# Altium PCB hep-0001.PcbDoc (part 2 of 2) (continued)
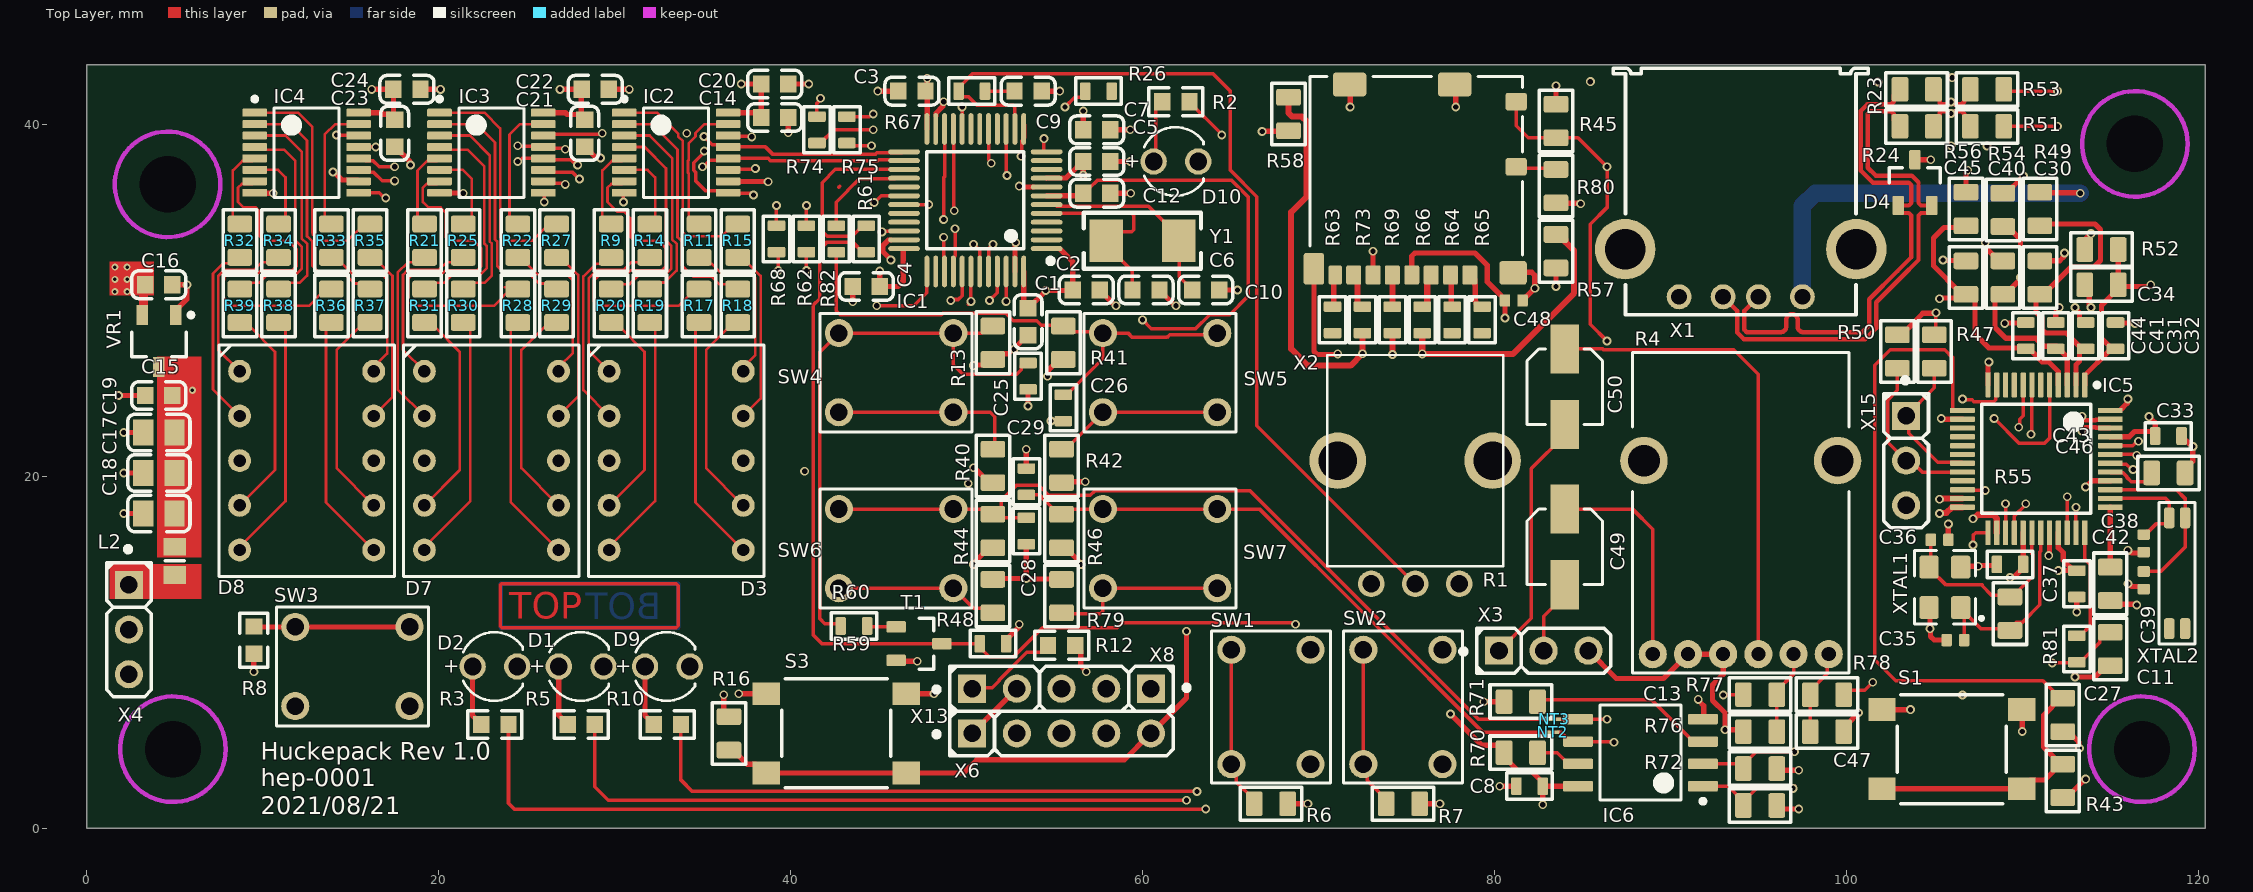
[diagram p0: Top Layer view]
## Nets (pads, with @x,y where several pads share a name; then routed paths per layer and width w, separated by ;. In a path a pad name is that pad's centre, name@x,y a point inside that pad or via, vN(x,y) a via of type N, cw(c..) or ccw(c..) an arc to the next point about the centre after c; other vN are vias at no path point) (continued)
Reset: C12.2 IC1.7 R16.1 S3.1 S3.3 X6.5 | length 74.6
  Top Layer w0.2: C12.2@57,36.4 57.44,36.84 65.06,36.84 66,35.9 66,30.25 64.95,29.2 63.815,29.2 63.015,28.4 60.5,28.4 v2(60,28.9)
  Top Layer w0.3: R16.1@36.5,4.45 36.725,4.45 37.525,3.65 38,3.65 38.2,3.45 S3.3@38.2,3.4 ; S3.3@38.625,3.15 S3.1@46.575,3.15 49.829,3.15 50.579,3.9 58.98,3.9 60.38,5.3 X6.5@60.4,5.3 ; IC1.7@54.55,35.95 56.65,35.95 C12.2@56.7,36 ; X6.5@60.48,5.4 62.5,7.42 v2(62.5,11.2)
  Signal_2 w0.3: v2(60,28.9) 60,13.7 v2(62.5,11.2)
SD_CD: IC5.22 R45.1 X2.10 | length 47.2
  Top Layer w0.2: X2.10@81.24,41.3 81.24,39.94 81.93,39.25 R45.1@83.5,39.25 84.75,39.25 v1(86.4,37.6) 86.4,35.283 85.455,34.338 85.455,28.645 v1(86.4,27.7) ; IC5.22@106.6,19.25 106.625,19.225 107.875,19.225 v1(107.9,19.2)
  Signal_2 w0.2: v1(86.4,27.7) 104.007,27.7 107.9,23.807 v1(107.9,19.2)
SD_CLK: IC5.24 R69.1 | length 63.2
  Top Layer w0.35: R69.1@74.2,28.15 74.203,28.147 74.203,26.933 v1(74.206,26.929) ; v1(105.3,17.9) 105.329,17.929 105.691,17.929 106.012,18.25 IC5.24@106.6,18.25
  Signal_2 w0.27: v1(74.206,26.929) 75.054,26.082 75.054,25.606 75.857,24.803 76.107,24.803 76.242,24.803 ccw(c76.242,25.088) 76.527,25.088 76.527,25.218 cw(c76.812,25.218) 76.812,25.503 cw(c76.812,25.218) 77.097,25.218 77.097,24.388 ccw(c77.382,24.388) 77.382,24.103 ccw(c77.382,24.388) 77.667,24.388 77.667,25.218 cw(c77.952,25.218) 77.952,25.503 cw(c77.952,25.218) 78.237,25.218 78.237,24.388 ccw(c78.522,24.388) 78.522,24.103 ccw(c78.522,24.388) 78.807,24.388 78.807,25.218 cw(c79.092,25.218) 79.092,25.503 cw(c79.092,25.218) 79.377,25.218 79.377,24.388 ccw(c79.662,24.388) 79.662,24.103 ccw(c79.662,24.388) 79.947,24.388 79.947,25.218 cw(c80.232,25.218) 80.232,25.503 cw(c80.232,25.218) 80.517,25.218 80.517,24.388 ccw(c80.802,24.388) 80.802,24.103 ccw(c80.802,24.388) 81.087,24.388 81.087,25.218 cw(c81.372,25.218) 81.372,25.503 cw(c81.372,25.218) 81.657,25.218 81.657,24.388 ccw(c81.942,24.388) 81.942,24.103 ccw(c81.942,24.388) 82.227,24.388 82.227,25.218 cw(c82.512,25.218) 82.512,25.503 cw(c82.512,25.218) 82.797,25.218 82.797,24.388 ccw(c83.082,24.388) 83.082,24.103 ccw(c83.082,24.388) 83.367,24.388 83.367,25.218 cw(c83.652,25.218) 83.652,25.503 cw(c83.652,25.218) 83.937,25.218 83.937,24.388 ccw(c84.222,24.388) 84.222,24.103 ccw(c84.222,24.388) 84.507,24.388 84.507,25.218 cw(c84.792,25.218) 84.792,25.503 cw(c84.792,25.218) 85.077,25.218 85.077,24.388 ccw(c85.362,24.388) 85.362,24.103 ccw(c85.362,24.388) 85.647,24.388 85.647,25.218 cw(c85.932,25.218) 85.932,25.503 cw(c85.932,25.218) 86.217,25.218 86.217,24.388 ccw(c86.502,24.388) 86.502,24.103 ccw(c86.502,24.388) 86.787,24.388 86.787,25.218 cw(c87.072,25.218) 87.072,25.503 cw(c87.072,25.218) 87.357,25.218 87.357,24.388 ccw(c87.642,24.388) 87.642,24.103 ccw(c87.642,24.388) 87.927,24.388 87.927,24.95 cw(c88.212,24.95) 88.212,25.235 cw(c88.212,24.95) 88.497,24.95 88.497,24.518 ccw(c88.782,24.518) 88.782,24.233 ccw(c88.782,24.518) 89.067,24.518 cw(c89.352,24.518) 89.352,24.803 90.2,24.803 98.303,16.7 104.1,16.7 v1(105.3,17.9)
SD_CMD: IC5.23 R57.2 R66.1 | length 62.9
  Top Layer w0.35: R66.1@75.9,28.15 v1(75.9,26.968) 81.058,26.968 83.065,28.975 83.075,28.975 84.525,30.425 84.525,32.831 84.025,33.331 84.025,33.45 83.725,33.75 R57.2@83.5,33.75 ; v1(105.3,18.7) 105.341,18.7 105.391,18.75 IC5.23@106.6,18.75
  Signal_2 w0.27: v1(75.9,26.968) 76.311,26.557 76.768,26.1 85.537,26.1 87.545,26.1 88.2,26.1 91.234,26.1 91.451,25.883 91.8,25.534 91.895,25.439 ccw(c92.097,25.64) 92.299,25.439 92.39,25.531 cw(c92.592,25.329) 92.793,25.531 cw(c92.592,25.329) 92.793,25.128 92.207,24.541 ccw(c92.408,24.339) 92.207,24.138 ccw(c92.408,24.339) 92.61,24.138 93.197,24.725 cw(c93.398,24.523) 93.6,24.725 cw(c93.398,24.523) 93.6,24.322 93.013,23.735 ccw(c93.214,23.533) 93.013,23.332 ccw(c93.214,23.533) 93.416,23.332 94.003,23.919 cw(c94.204,23.717) 94.406,23.919 cw(c94.204,23.717) 94.406,23.516 93.819,22.929 ccw(c94.02,22.727) 93.819,22.526 ccw(c94.02,22.727) 94.222,22.526 94.809,23.112 cw(c95.01,22.911) 95.212,23.112 cw(c95.01,22.911) 95.212,22.709 94.625,22.123 ccw(c94.826,21.921) 94.625,21.719 ccw(c94.826,21.921) 95.028,21.719 95.615,22.306 cw(c95.816,22.105) 96.018,22.306 cw(c95.816,22.105) 96.018,21.903 95.431,21.316 ccw(c95.633,21.115) 95.431,20.913 ccw(c95.633,21.115) 95.834,20.913 96.421,21.5 cw(c96.622,21.299) 96.824,21.5 cw(c96.622,21.299) 96.824,21.097 96.732,21.005 ccw(c96.934,20.804) 96.732,20.602 97.227,20.107 97.323,20.011 97.692,19.642 100.059,17.275 103.875,17.275 v1(105.3,18.7)
SD_DAT0: IC5.26 R58.2 R73.1 | length 63.4
  Top Layer w0.35: R58.2@68.3,41.55 68.3,40.655 68.505,40.45 69.065,40.45 69.325,40.19 69.325,35.908 68.445,35.027 68.445,27.255 69.4,26.3 71.825,26.3 v1(72.5,26.975) R73.1@72.5,28.15 ; v1(107.2,17.6) 107.241,17.6 107.466,17.825 108.345,17.825 108.55,17.62 IC5.26@108.55,16.8
  Signal_2 w0.27: v1(72.5,26.975) 74.311,25.164 76.312,23.162 89.688,23.162 96.615,16.235 105.835,16.235 106.328,16.728 v1(107.2,17.6)
Serial_Out_1: IC2.9 IC3.14 | length 16.6
  Top Layer w0.2: IC3.14@26.157,39.443 26.16,39.445 29.245,39.445 v1(29.3,39.5) ; v1(35.1,38.5) 35.1,38.419 34.5,37.819 34.5,37.393 34.625,37.268 34.625,36.775 35.15,36.25 36.325,36.25 36.475,36.1 37.719,36.1 37.819,36 v1(37.9,36)
  Signal_2 w0.2: v1(29.3,39.5) 34.181,39.5 34.506,39.825 35.282,39.825 35.604,39.504 35.604,38.996 35.107,38.5 v1(35.1,38.5)
  other v1: 34.1,39.5
Serial_Out_2: IC3.9 IC4.14 | length 15.8
  Top Layer w0.2: v1(14.2,39.4) 14.212,39.388 14.988,39.388 IC4.14@15,39.4 ; IC3.9@25.95,36.125 26,36.075 v1(26,35.6)
  Signal_2 w0.2: v1(14.2,39.4) 14.2,38.066 15.941,36.325 17.207,36.325 17.232,36.3 19.572,36.3 19.872,36.6 25,36.6 v1(26,35.6)
Serial_Out_3: IC4.9 | length 1.7
  Top Layer w0.2: IC4.9@15.45,36.125 16.619,36.125 16.919,35.825 v1(17,35.825)
Shift_Out_nOE: IC1.25 IC2.13 IC3.13 IC4.13 | length 31.7
  Top Layer w0.2: IC4.13@15.4,38.7 15.425,38.725 IC4.13@15.45,38.725 v1(16.425,38.725) ; v1(24.5,38.8) 24.537,38.763 25.913,38.763 IC3.13@25.95,38.725 ; IC3.13@26.012,38.713 26.068,38.657 27.143,38.657 v1(27.2,38.6) ; v1(35.075,39.325) 35.55,38.85 36.325,38.85 IC2.13@36.45,38.725 38.575,38.725 39,38.3 44.807,38.3 44.907,38.4 IC1.25@46.308,38.4
  Signal_2 w0.2: v1(16.425,38.725) 16.462,38.763 24.462,38.763 v1(24.5,38.8) ; v1(27.2,38.6) 28.693,38.6 33.907,38.6 34.575,39.268 35.018,39.268 v1(35.075,39.325)
SPI1_CS: IC5.7 IC6.1 R72.1 | length 54.1
  Top Layer w0.2: IC6.1@91.85,2.395 93.28,2.395 R72.1@94.15,1.525 ; R72.1@94.15,1.3 R72.1@94.15,1.525 ; v1@97.1,2.4 v1(96.975,2.275) 94.9,2.275 R72.1@94.15,1.525 ; v1(110.5,22.4) 110.525,22.425 110.525,25.175 IC5.7@110.55,25.2
  Signal_2 w0.2: v1(96.975,2.275) 109.368,2.275 118.8,11.707 118.8,21.5 117.45,22.85 115.65,22.85 114.55,21.75 111.15,21.75 v1(110.5,22.4)
SPI1_CS_MCU: IC1.26 IC2.12 IC3.12 IC4.12 | length 31.8
  Top Layer w0.2: IC4.12@15.7,38.1 15.85,37.95 16.272,37.95 16.622,37.6 v1(17.5,37.6) ; v1(24.5,37.9) 24.581,37.9 24.756,38.075 IC3.12@25.95,38.075 26.025,38 27.519,38 27.819,37.7 v1(27.9,37.7) ; v1(35,37.6) 35.04,37.6 35.409,37.969 36.344,37.969 IC2.12@36.45,38.075 38.73,38.075 38.855,37.95 44.952,37.95 45.002,38 IC1.26@46.301,38
  Signal_2 w0.2: v1(17.5,37.6) 18.2,38.3 24.1,38.3 v1(24.5,37.9) ; v1(27.9,37.7) 28.893,37.7 28.993,37.6 v1(35,37.6)
SPI1_MISO: IC5.8 IC6.2 R76.1 | length 52.6
  Top Layer w0.2: IC6.2@91.85,3.665 93.885,3.665 R76.1@94.15,3.4 94.15,3.625 94.875,4.35 v1(97.05,4.35) v1@97.1,4.3 ; v1(109.8,22.8) 109.857,22.857 109.857,23.257 110.05,23.45 IC5.8@110.05,25.2
  Signal_2 w0.2: v1(97.05,4.35) 110.948,4.35 118.3,11.702 118.3,21.283 117.083,22.5 115.795,22.5 114.595,21.3 110.893,21.3 109.857,22.335 109.857,22.743 v1(109.8,22.8)
SPI1_MISO_MCU: IC1.16
SPI1_MOSI: IC5.25 IC6.5 NT3.2 | length 35.5
  Top Layer w0.2: NT3.2@83.575,6.2 IC6.5@84.4,6.2 ; IC6.5@84.75,6.205 84.755,6.2 v1(86.4,6.2) ; v1(107.2,16.1) 107.2,16.65 107.35,16.8 IC5.25@108.05,16.8
  Signal_2 w0.2: v1(86.4,6.2) 83.85,8.75 83.85,11.45 87.9,15.5 106.6,15.5 v1(107.2,16.1)
SPI1_MOSI_MCU: IC1.17 IC2.14 | length 17.6
  Top Layer w0.2: IC2.14@36.9,39.4 36.962,39.338 37.763,39.338 v1(37.8,39.3) ; IC1.17@51.25,39.75 51.25,38.031 51.4,37.881 v1(51.4,37.8)
  Signal_2 w0.2: v1(37.8,39.3) 37.8,38.625 38.675,37.75 51.35,37.75 v1(51.4,37.8)
SPI1_SCK: IC5.27 IC6.6 NT2.2 | length 43.2
  Top Layer w0.2: NT2.2@83.6,5.45 83.8,5.45 84,5.25 84,5.135 84.2,4.935 IC6.6@84.75,4.935 84.768,4.918 86.782,4.918 v1(86.8,4.9) ; IC5.27@109.05,16.8 v1(109.05,18.45) v1@109.125,18.525
  Signal_2 w0.2: v1(86.8,4.9) 86.857,4.957 86.857,5.125 86.9,5.167 86.9,6.407 84.2,9.107 84.2,11.283 85.292,12.375 107.475,12.375 108.5,13.4 108.5,17.9 v1(109.05,18.45)
SPI1_SCK_MCU: IC1.15 IC2.11 IC3.11 IC4.11 | length 43.8
  Top Layer w0.2: IC4.11@16,37.3 16.293,37.3 16.793,36.8 v1(17.5,36.8) ; IC3.11@25.95,37.425 26.075,37.3 27.6,37.3 v1(28,36.9) ; IC2.11@36.343,37.463 37.962,37.463 v1(38,37.5) ; IC1.15@52.25,39.75 52.265,39.735 52.265,37.135 v1(52.3,37.1)
  Signal_2 w0.2: v1(17.5,36.8) 17.581,36.8 17.731,36.95 26.593,36.95 26.868,37.225 27.282,37.225 27.557,36.95 27.943,36.95 27.993,36.9 28.078,36.9 28.278,37.1 37.6,37.1 v1(38,37.5) 38.057,37.443 38.487,37.443 38.53,37.4 51.013,37.4 51.313,37.1 v1(52.3,37.1)
SWCLK: IC1.37 X6.3 | length 37.1
  Top Layer w0.2: v1(44.9,29.7) 47,29.7 47.75,30.45 IC1.37@47.75,31.65
  Signal_2 w0.2: v1(44.9,29.7) 44.957,29.643 44.957,29.43 45,29.388 45,8.6 47.15,6.45 54.35,6.45 X6.3@55.3,5.5
SWDIO: IC1.34 X6.2 | length 37.7
  Top Layer w0.2: v1(45.2,33.9) 45.235,33.935 46.435,33.935 IC1.34@46.45,33.95
  Signal_2 w0.2: v1(45.2,33.9) 45.193,33.9 44.4,33.107 44.4,29.493 44.65,29.243 44.65,8.35 48.65,4.35 52.02,4.35 52.86,5.19 X6.2@52.86,5.4
UART0_RX: IC5.19 R47.1 X15.1 | length 8.2
  Top Layer w0.2: R47.1@105,26.15 105,25.04 X15.1@103.4,23.44 103.543,23.297 103.543,22.457 105.2,20.8 106.55,20.8 IC5.19@106.6,20.75
UART0_TX: IC5.20 R50.1 X15.2 | length 9.4
  Top Layer w0.2: R50.1@102.9,26.15 102.9,24.894 102.35,24.344 102.35,21.95 X15.2@103.4,20.9 103.656,20.9 104.306,20.25 IC5.20@106.6,20.25
UART2_RX: IC1.13 R75.2 | length 12
  Top Layer w0.2: R75.2@43.2,38.95 43.35,38.8 v1(44.6,38.8) ; v1(53.1,38.2) 53.14,38.24 53.14,39.081 53.3,39.241 IC1.13@53.3,40
  Signal_2 w0.2: v1@44.7,38.8 52.5,38.8 v1(53.1,38.2)
UART2_TX: IC1.12 R74.2 | length 19.5
  Top Layer w0.2: R74.2@41.5,40.5 41.5,41.219 41.7,41.419 v1(41.7,41.5) ; v1(54.4,39.2) 54.4,38.487 54.437,38.45 IC1.12@54.55,38.45
  Signal_2 w0.2: v1(41.7,41.5) 41.7,38.784 42.384,38.1 50.993,38.1 51.193,38.3 51.607,38.3 51.807,38.1 52.493,38.1 53.01,37.583 54.183,37.583 54.4,37.8 v1(54.4,39.2)
USBD_CON_N: D4.1 R23.2 X1.2 | length 30.7
  Top Layer w0.25: X1.2@95,30.21 94.2,29.41 94.2,28.346 94.346,28.2 95.752,28.2 96.26,28.2 ccw(c96.26,28.525) 96.585,28.525 96.585,28.9 cw(c96.91,28.9) 96.91,29.225 cw(c96.91,28.9) 97.235,28.9 97.235,28.525 ccw(c97.56,28.525) 97.56,28.2 98.335,28.2 100.9,28.2 101.3,28.6 101.3,30.066 102.934,31.7 103.7,32.466 103.7,34.829 103.554,34.975 103.15,34.975 102.95,35.175 D4.1@102.95,35.4 103.554,35.4 103.7,35.546 103.7,36.15 103.7,36.554 103.554,36.7 101.5,36.7 100.817,37.383 100.817,40.769 101.198,41.15 102.554,41.15 102.7,41.296 102.7,41.65 R23.2@103.05,42
USBD_CON_P: D4.2 R24.2 X1.3 | length 29.9
  Top Layer w0.25: X1.3@93,30.21 93.8,29.41 93.8,28.181 94.181,27.8 94.759,27.8 99.648,27.8 101.066,27.8 101.7,28.434 101.7,29.9 103.1,31.3 104.1,32.3 104.1,34.829 104.246,34.975 104.65,34.975 104.85,35.175 D4.2@104.85,35.4 104.246,35.4 104.1,35.546 104.1,35.984 104.1,36.719 103.719,37.1 101.666,37.1 101.217,37.549 101.217,40.604 101.364,40.75 102.554,40.75 102.7,40.604 102.7,40.25 R24.2@103.05,39.9
USBD_N: IC5.47 R23.1 R53.2 | length 30.6
  Top Layer w0.25: R23.1@104.95,42 105.3,41.65 105.3,41.225 105.375,41.15 105.757,41.15 105.882,41.275 v1(105.95,41.275) 106.018,41.275 106.143,41.15 106.554,41.15 106.7,41.296 106.7,41.65 R53.2@107.05,42 ; v1@113.4,23.325 113.468,23.325 113.593,23.2 114.162,23.2 114.187,23.225 114.975,23.225 IC5.47@115,23.25
  Signal_2 w0.175: v1(105.95,41.275) 106.038,41.275 106.2,41.113 110.688,41.113 111.125,40.675 111.125,24.803 111.314,24.614 111.376,24.552 ccw(c111.544,24.72) 111.712,24.552 111.942,24.782 cw(c112.109,24.614) 112.277,24.782 cw(c112.109,24.614) 112.277,24.446 112.048,24.216 ccw(c112.216,24.048) 112.048,23.88 112.664,23.264 112.765,23.162 113.135,23.162 113.397,23.425 v1(113.4,23.425)
USBD_P: IC5.46 R24.1 R51.2 | length 30.8
  Top Layer w0.25: R24.1@104.95,39.9 105.3,40.25 105.3,40.675 105.375,40.75 105.757,40.75 105.882,40.625 v1(105.95,40.625) 106.018,40.625 106.143,40.75 106.554,40.75 106.7,40.604 106.7,40.25 R51.2@107.05,39.9 ; 113.593,22.8 114.162,22.8 114.187,22.775 IC5.46@114.975,22.775 ; IC5.46@114.425,22.75 IC5.46@115,22.75 ; IC5.46@114.975,22.775 114.425,22.775 IC5.46@114.975,22.775
  Signal_2 w0.175: v1(105.95,40.625) 106.038,40.625 106.2,40.788 110.553,40.788 110.8,40.54 110.8,24.668 112.631,22.837 113.135,22.837 113.397,22.575 v1(113.4,22.575)
pads on no net: IC1.2 IC1.3 IC1.4 IC1.10 IC1.11 IC1.18 IC1.19 IC1.29 IC1.32 IC1.33 IC1.38 IC5.9 IC5.10 IC5.15 IC5.16 IC5.17 IC5.18 IC5.21 R1.NC1 R1.NC2 R4.MT R26.2 R63.1 R64.1 R65.1 XTAL2.2 XTAL2.3
copper on no net: | length 50.1
  Top Layer w0.2: 42.75,36.444 42.75,36.45 42.8,36.5 ; 23.5,11.493 23.5,13.831 23.569,13.9 23.617,13.9 33.508,13.9 33.625,13.783 33.625,11.517 33.508,11.4 31.325,11.4 23.617,11.4 23.593,11.4 23.5,11.493
  GND w0.254: 23.525,11.4 23.525,13.9 27.025,13.9 ; 23.625,11.4 33.625,11.4 33.625,13.9 27.125,13.9
  other v2: 106.6,7.585

## Polygon pours and split planes (outlines as drawn)
IOVDD on Signal_1 "IOVDD_L02_P004" (solid, remove dead copper, pour order 4): 0,43.4 120.4,43.4 120.4,0 0,0
3V3 on Signal_1 "3V3_L02_P003" (solid, pour order 3): 0,43.4 60,43.4 60,26.9 59.5,27.4 0,27.4
GND on Signal_1 "GND_L02_P001" (solid, pour order 1): 85.5,43.4 85.5,27.4 104,27.4 104,30.9 105,30.9 105,33.9 105.5,33.9 105.5,38.4 112,38.4 112,43.4
GND on GND "GND_L04_P002" (solid, remove dead copper, pour order 2): 0,43.4 120.4,43.4 120.4,0 0,0
AGND on GND "AGND_L04_P000" (solid, pour order 0): 120.4,43.4 113.6,43.4 113.6,25.8 116.7,25.8 116.7,22.3 114.4,22.3 114.4,21.3 113,21.3 113,18.9 120.4,18.9

## Keep-outs
Top Layer:
  circle w0.254: c116.4,38.9 r3
  circle w0.254: c116.8,4.5 r3
  circle w0.254: c4.9,4.5 r3
  circle w0.254: c4.6,36.6 r3
GND:
  circle w0.254: c4.6,36.6 r3
  circle w0.254: c4.9,4.5 r3
  circle w0.254: c116.8,4.5 r3
  circle w0.254: c116.4,38.9 r3

## Other copper
Top Layer:
  region net 5V0_IN: 1.3,15 6.5,15 6.5,13.3 6.5,13.04 1.3,13.04
  region net 5V0: 4,26.8 6.5,26.8 6.5,15.4 4,15.4
  region net 3V3: 1.3,32.2 3.8,32.2 3.8,30.3 1.3,30.3
  text "TOP" at 24.025,11.9 h1.52
GND:
  text "BOT" at 32.642,11.894 h1.52

## Silkscreen, mask and mechanical layers (free items; w line width, h text height)
Top Overlay:
  text "Huckepack Rev 1.0" at 9.9,3.9 h1
  text "hep-0001" at 9.9,2.4 h1
  text "2021/08/21" at 9.9,0.8 h1
Top Solder:
  circle w2: c116.4,38.9 r1.118
  circle w2: c116.8,4.5 r1.118
  circle w2: c4.9,4.5 r1.118
  circle w2: c4.6,36.6 r1.118
Outline:
  lines w0.17: 0,43.4 120.4,43.4 ; 0,43.4 0,43.4 ; 0,43.4 0,0 120.4,0 ; 120.4,0 120.4,0 ; 120.4,0 120.4,43.4 ; 120.4,43.4 120.4,43.4
  lines w0.254: 0,43.4 0,43.4
Panel_DIM:
  lines w0.17: -1,0 1,0 0,0 ; 0,1 0,0 ; 3.6,36.6 5.6,36.6 4.6,36.6 ; 3.9,4.5 5.9,4.5 4.9,4.5 ; 4.6,37.6 4.6,36.6 ; 4.9,5.5 4.9,4.5 ; 6.515,14.315 8.515,14.315 7.515,14.315 ; 6.515,27.485 8.515,27.485 7.515,27.485 ; 7.515,15.315 7.515,14.315 ; 7.515,28.485 7.515,27.485 ; 14.1,9.2 16.1,9.2 15.1,9.2 ; 15.1,10.2 15.1,9.2 ; 22.2,9.2 24.2,9.2 23.2,9.2 ; 23.2,10.2 23.2,9.2 ; 27.1,9.2 29.1,9.2 28.1,9.2 ; 28.1,10.2 28.1,9.2 ; 32,9.2 34,9.2 33,9.2 ; 33,10.2 33,9.2 ; 37.485,14.315 39.485,14.315 38.485,14.315 ; 37.485,27.485 39.485,27.485 38.485,27.485 ; 38.485,15.315 38.485,14.315 ; 38.485,28.485 38.485,27.485 ; 45,15.9 47,15.9 46,15.9 ; 45,25.9 47,25.9 46,25.9 ; 46,16.9 46,15.9 ; 46,26.9 46,25.9 ; 60,15.9 62,15.9 61,15.9 ; 60,25.9 62,25.9 61,25.9 ; 60.884,37.9 62.884,37.9 61.884,37.9 ; 61,16.9 61,15.9 ; 61,26.9 61,25.9 ; 61.884,38.9 61.884,37.9 ; 66.3,6.9 68.3,6.9 67.3,6.9 ; 67.3,7.9 67.3,6.9 ; 73.8,6.9 75.8,6.9 74.8,6.9 ; 74.5,20.9 76.5,20.9 75.5,20.9 ; 74.8,7.9 74.8,6.9 ; 75.5,21.9 75.5,20.9 ; 93,20.9 95,20.9 94,20.9 ; 94,21.9 94,20.9 ; 115.4,38.9 117.4,38.9 116.4,38.9 ; 115.8,4.5 117.8,4.5 116.8,4.5 ; 116.4,39.9 116.4,38.9 ; 116.8,5.5 116.8,4.5 ; 0,0 0,-1 0,0 ; 4.6,36.6 4.6,35.6 4.6,36.6 ; 4.9,4.5 4.9,3.5 4.9,4.5 ; 7.515,14.315 7.515,13.315 7.515,14.315 ; 7.515,27.485 7.515,26.485 7.515,27.485 ; 15.1,9.2 15.1,8.2 15.1,9.2 ; 23.2,9.2 23.2,8.2 23.2,9.2 ; 28.1,9.2 28.1,8.2 28.1,9.2 ; 33,9.2 33,8.2 33,9.2 ; 38.485,14.315 38.485,13.315 38.485,14.315 ; 38.485,27.485 38.485,26.485 38.485,27.485 ; 46,15.9 46,14.9 46,15.9 ; 46,25.9 46,24.9 46,25.9 ; 61,15.9 61,14.9 61,15.9 ; 61,25.9 61,24.9 61,25.9 ; 61.884,37.9 61.884,36.9 61.884,37.9 ; 67.3,6.9 67.3,5.9 67.3,6.9 ; 74.8,6.9 74.8,5.9 74.8,6.9 ; 75.5,20.9 75.5,19.9 75.5,20.9 ; 94,20.9 94,19.9 94,20.9 ; 116.4,38.9 116.4,37.9 116.4,38.9 ; 116.8,4.5 116.8,3.5 116.8,4.5
Dimensions Top:
  drawing of 295 lines, arcs and shapes, not listed
  text "Layer" at 126.464,57.271 h1.52
  text "Name" at 136.876,57.271 h1.52
  text "Material" at 160.491,57.271 h1.52
  text "Thickness" at 182.329,57.271 h1.52
  text "Constant" at 198.835,57.271 h1.52
  text "Board Layer Stack" at 213.31,57.271 h1.52
  text "Top Overlay" at 136.876,54.223 h1.52
  text "Top Solder" at 136.876,51.175 h1.52
  text "Solder Resist" at 160.491,51.175 h1.52
  text "0,025mm" at 182.329,51.175 h1.52
  text "3.5" at 198.835,51.175 h1.52
  text "1" at 126.464,48.127 h1.52
  text "Top Layer" at 136.876,48.127 h1.52
  text "0,035mm" at 182.329,48.127 h1.52
  text "Dielectric 2" at 136.876,45.079 h1.52
  text "PP-006" at 160.491,45.079 h1.52
  text "0,200mm" at 182.329,45.079 h1.52
  text "4.1" at 198.835,45.079 h1.52
  text "2" at 126.464,42.031 h1.52
  text "Signal_1" at 136.876,42.031 h1.52
  text "CF-004" at 160.491,42.031 h1.52
  text "0,018mm" at 182.329,42.031 h1.52
  text "Dielectric 1" at 136.876,38.983 h1.52
  text "FR-4" at 160.491,38.983 h1.52
  text "1,065mm" at 182.329,38.983 h1.52
  text "4.6" at 198.835,38.983 h1.52
  text "3" at 126.464,35.935 h1.52
  text "Signal_2" at 136.876,35.935 h1.52
  text "CF-004" at 160.491,35.935 h1.52
  text "0,018mm" at 182.329,35.935 h1.52
  text "Dielectric 3" at 136.876,32.887 h1.52
  text "PP-006" at 160.491,32.887 h1.52
  text "0,200mm" at 182.329,32.887 h1.52
  text "4.1" at 198.835,32.887 h1.52
  text "4" at 126.464,29.839 h1.52
  text "GND" at 136.876,29.839 h1.52
  text "0,035mm" at 182.329,29.839 h1.52
  text "Bottom Solder" at 136.876,26.791 h1.52
  text "Solder Resist" at 160.491,26.791 h1.52
  text "0,025mm" at 182.329,26.791 h1.52
  text "3.5" at 198.835,26.791 h1.52
  text "Bottom Overlay" at 136.876,23.743 h1.52
Drill Drawing:
  circle w0.254: c126.625,0.159 r0.411
  circle w0.254: c126.625,0.159 r0.684
  circle w0.254: c126.625,-2.92 r0.684
  rectangle: 8.1,16.8 8.4,19.5
  lines w0.254: 125.941,-12.499 126.283,-12.499 126.283,-12.842 126.967,-12.842 126.967,-12.499 127.309,-12.499 127.309,-11.815 126.967,-11.815 126.967,-11.473 126.283,-11.473 126.283,-11.815 125.941,-11.815 125.941,-12.499 ; 125.941,-9.762 127.309,-9.762 127.309,-8.394 125.941,-8.394 125.941,-9.762 ; 125.941,-5.999 126.625,-6.683 127.309,-5.999 126.625,-5.315 125.941,-5.999 ; 125.941,3.922 127.309,3.922 126.625,2.554 125.941,3.922 ; 125.941,5.633 125.941,5.975 126.283,6.317 125.941,6.659 125.941,7.002 126.283,7.002 126.625,6.659 126.967,7.002 127.309,7.002 127.309,6.659 126.967,6.317 127.309,5.975 127.309,5.633 126.967,5.633 126.625,5.975 126.283,5.633 125.941,5.633 ; 125.941,9.054 126.283,9.054 126.283,8.712 126.967,8.712 126.967,9.054 127.309,9.054 127.309,9.739 126.967,9.739 126.967,10.081 126.283,10.081 126.283,9.739 125.941,9.739 125.941,9.054 ; 125.941,11.791 127.309,11.791 127.309,13.16 125.941,13.16 125.941,11.791 ; 125.941,15.213 126.283,15.213 126.625,14.87 126.967,15.213 127.309,15.213 126.967,15.555 127.309,15.897 126.967,15.897 126.625,16.239 126.283,15.897 125.941,15.897 126.283,15.555 125.941,15.213 ; 126.214,-12.363 126.42,-12.363 126.42,-12.568 126.83,-12.568 126.83,-12.363 127.036,-12.363 127.036,-11.952 126.83,-11.952 126.83,-11.747 126.42,-11.747 126.42,-11.952 126.214,-11.952 126.214,-12.363 ; 126.214,3.649 127.036,3.649 126.625,2.828 126.214,3.649 ; 126.214,12.065 127.036,12.065 127.036,12.886 126.214,12.886 126.214,12.065 ; 126.214,15.349 126.42,15.349 126.625,15.144 126.83,15.349 127.036,15.349 126.83,15.555 127.036,15.76 126.83,15.76 126.625,15.965 126.42,15.76 126.214,15.76 126.42,15.555 126.214,15.349
  lines w0.381: 124.698,-13.765 341.133,-13.765 ; 124.698,17.026 341.133,17.026 ; 136.162,-16.844 136.162,20.105 ; 148.573,-16.844 148.573,20.105 ; 172.68,-16.844 172.68,20.105 ; 183.221,-16.844 183.221,20.105 ; 198.44,-16.844 198.44,20.105 ; 223.016,-16.844 223.016,20.105 ; 235.28,-16.844 235.28,20.105 ; 250.745,-16.844 250.745,20.105 ; 267.465,-16.844 267.465,20.105 ; 285.147,-16.844 285.147,20.105 ; 312.678,-16.844 312.678,20.105 ; 124.698,-16.844 341.133,-16.844 341.133,20.105 124.698,20.105 124.698,-16.844
  text "Symbol" at 126.546,17.95 h1.48
  text "Count" at 137.086,17.95 h1.48
  text "Hole Size" at 149.496,17.95 h1.48
  text "Plated" at 173.604,17.95 h1.48
  text "Hole Type" at 184.144,17.95 h1.48
  text "Drill Layer Pair" at 199.363,17.95 h1.48
  text "Via/Pad" at 223.94,17.95 h1.48
  text "Pad Shape" at 236.204,17.95 h1.48
  text "Template" at 251.669,17.95 h1.48
  text "Description" at 268.389,17.95 h1.48
  text "Hole Tolerance (+)" at 286.071,17.95 h1.48
  text "Hole Tolerance (-)" at 313.602,17.95 h1.48
  text "2" at 137.086,14.87 h1.23
  text "1,800mm (70,87mil)" at 149.496,14.87 h1.23
  text "PTH" at 173.604,14.87 h1.23
  text "Round" at 184.144,14.87 h1.23
  text "Top Layer - GND" at 199.363,14.87 h1.23
  text "Pad" at 223.94,14.87 h1.23
  text "Rounded" at 236.204,14.87 h1.23
  text "c270h180" at 251.669,14.87 h1.23
  text "2" at 137.086,11.791 h1.23
  text "2,200mm (86,61mil)" at 149.496,11.791 h1.23
  text "PTH" at 173.604,11.791 h1.23
  text "Round" at 184.144,11.791 h1.23
  text "Top Layer - GND" at 199.363,11.791 h1.23
  text "Pad" at 223.94,11.791 h1.23
  text "Rounded" at 236.204,11.791 h1.23
  text "c322h220" at 251.669,11.791 h1.23
  text "2" at 137.086,8.712 h1.23
  text "2,300mm (90,55mil)" at 149.496,8.712 h1.23
  text "PTH" at 173.604,8.712 h1.23
  text "Round" at 184.144,8.712 h1.23
  text "Top Layer - GND" at 199.363,8.712 h1.23
  text "Pad" at 223.94,8.712 h1.23
  text "Rounded" at 236.204,8.712 h1.23
  text "c345h230" at 251.669,8.712 h1.23
  text "4" at 137.086,5.633 h1.23
  text "0,900mm (35,43mil)" at 149.496,5.633 h1.23
  text "PTH" at 173.604,5.633 h1.23
  text "Round" at 184.144,5.633 h1.23
  text "Top Layer - GND" at 199.363,5.633 h1.23
  text "Pad" at 223.94,5.633 h1.23
  text "Rounded" at 236.204,5.633 h1.23
  text "c142h90" at 251.669,5.633 h1.23
  text "4" at 137.086,2.554 h1.23
  text "3,200mm (125,98mil)" at 149.496,2.554 h1.23
  text "NPTH" at 173.604,2.554 h1.23
  text "Round" at 184.144,2.554 h1.23
  text "Top Layer - GND" at 199.363,2.554 h1.23
  text "Pad" at 223.94,2.554 h1.23
  text "Rounded" at 236.204,2.554 h1.23
  text "c152hn320" at 251.669,2.554 h1.23
  text "6" at 137.086,-0.525 h1.23
  text "0,800mm (31,50mil)" at 149.496,-0.525 h1.23
  text "PTH" at 173.604,-0.525 h1.23
  text "Round" at 184.144,-0.525 h1.23
  text "Top Layer - GND" at 199.363,-0.525 h1.23
  text "Pad" at 223.94,-0.525 h1.23
  text "Rounded" at 236.204,-0.525 h1.23
  text "c160h80" at 251.669,-0.525 h1.23
  text "7" at 137.086,-3.604 h1.23
  text "0,200mm (7,87mil)" at 149.496,-3.604 h1.23
  text "PTH" at 173.604,-3.604 h1.23
  text "Round" at 184.144,-3.604 h1.23
  text "Top Layer - GND" at 199.363,-3.604 h1.23
  text "Via" at 223.94,-3.604 h1.23
  text "Rounded" at 236.204,-3.604 h1.23
  text "v40h20m48mx0" at 251.669,-3.604 h1.23
  text "30" at 137.086,-6.683 h1.23
  text "0,700mm (27,56mil)" at 149.496,-6.683 h1.23
  text "PTH" at 173.604,-6.683 h1.23
  text "Round" at 184.144,-6.683 h1.23
  text "Top Layer - GND" at 199.363,-6.683 h1.23
  text "Pad" at 223.94,-6.683 h1.23
  text "Rounded" at 236.204,-6.683 h1.23
  text "c130h70" at 251.669,-6.683 h1.23
  text "58" at 137.086,-9.762 h1.23
  text "1,000mm (39,37mil)" at 149.496,-9.762 h1.23
  text "PTH" at 173.604,-9.762 h1.23
  text "Round" at 184.144,-9.762 h1.23
  text "Top Layer - GND" at 199.363,-9.762 h1.23
  text "Pad" at 223.94,-9.762 h1.23
  text "(Mixed)" at 236.204,-9.762 h1.23
  text "(Mixed)" at 251.669,-9.762 h1.23
  text "211" at 137.086,-12.842 h1.23
  text "0,300mm (11,81mil)" at 149.496,-12.842 h1.23
  text "PTH" at 173.604,-12.842 h1.23
  text "Round" at 184.144,-12.842 h1.23
  text "Top Layer - GND" at 199.363,-12.842 h1.23
  text "Via" at 223.94,-12.842 h1.23
  text "Rounded" at 236.204,-12.842 h1.23
  text "(Mixed)" at 251.669,-12.842 h1.23
  text "326 Total" at 137.086,-15.921 h1.23

## Dimensions
0,0 to 0,43.4 on Dimensions Top
0,43.4 to 120.4,43.4 on Dimensions Top

## Text inside footprints (layer, text, board x,y; h text height)
D1: Top Overlay "+" at 25.15,8.85 h0.8
D2: Top Overlay "+" at 20.25,8.85 h0.8
D9: Top Overlay "+" at 30.05,8.85 h0.8
D10: Top Overlay "+" at 58.95,37.55 h0.8
NT1: Mechanical 32 "2" at 115.756,18.4 h0.61 r90; Mechanical 32 "1" at 115.756,18.9 h0.61 r90
NT2: Mechanical 32 "1" at 83.075,5.694 h0.61; Mechanical 32 "2" at 83.575,5.694 h0.61
NT3: Mechanical 32 "2" at 83.65,6.444 h0.61; Mechanical 32 "1" at 83.15,6.444 h0.61
X1: Dimensions "PCB Edge" at 96.2,44.42 h0.81 r180